# Altium PCB graviton.PcbDoc (part 13 of 15)
Units mm, origin at the board's own origin, x right, y up, seen from the top; angles counter-clockwise.
Board outline 200 x 200 mm, 10 copper layers (TOP, POLYGON1, S1, POLYGON2, POLYGON3, POLYGON4, POLYGON5, S2, POLYGON6, BOT), stack 1.751 mm thick; 1317 components, 712 nets, 5121 pads, 3994 vias.
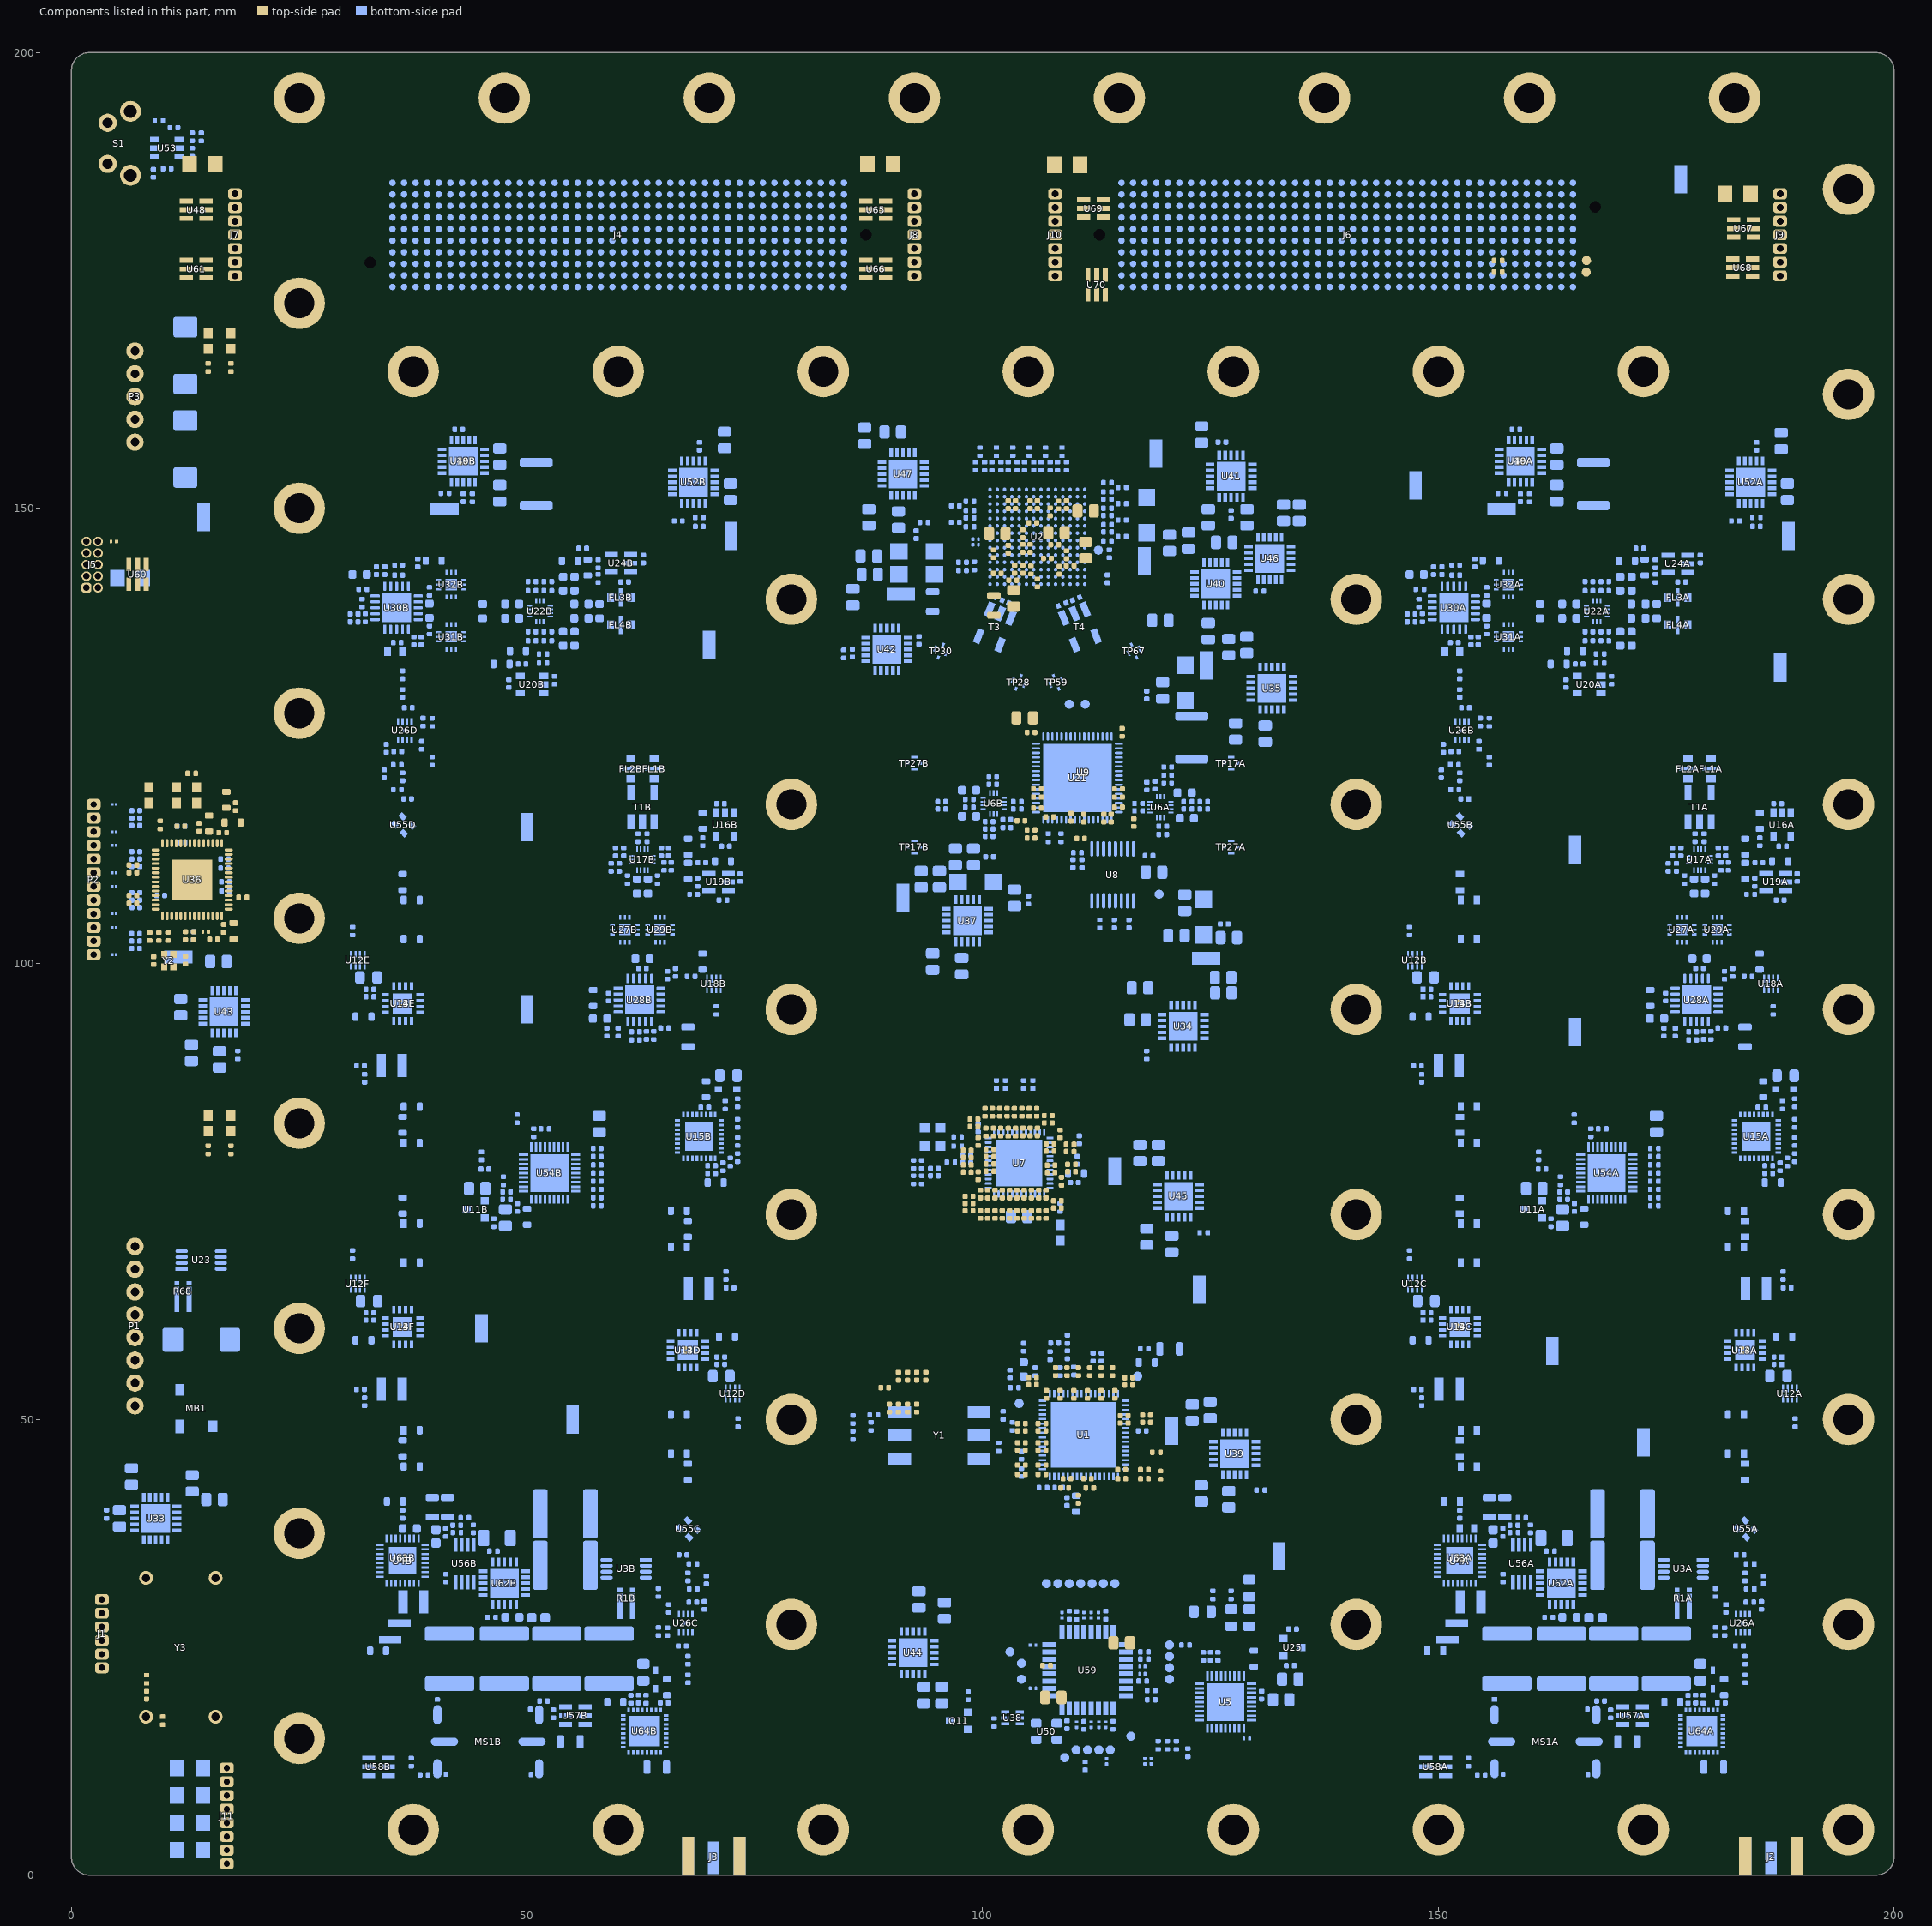
[diagram p21: the components of this part, seen from the top]

## Via types
v1: diameter 0.75, hole 0.5, TOP to BOT, tented both sides, 2608 vias
v2: diameter 0.508, hole 0.254, TOP to BOT, tented both sides, 628 vias
v3: diameter 0.483, hole 0.254, TOP to BOT, tented both sides, 455 vias
v4: diameter 0.5, hole 0.3, TOP to BOT, tented both sides, 169 vias
v5: diameter 0.635, hole 0.254, TOP to BOT, tented both sides, 86 vias
v6: diameter 0.5, hole 0.254, TOP to BOT, tented both sides, 48 vias

## Nets (pads, with @x,y where several pads share a name; then routed paths per layer and width w, separated by ;. In a path a pad name is that pad's centre, name@x,y a point inside that pad or via, vN(x,y) a via of type N, cw(c..) or ccw(c..) an arc to the next point about the centre after c; other vN are vias at no path point) (continued)
pads on no net: J4.16 J4.22 J4.23 J4.25 J4.26 J4.28 J4.29 J4.32 J4.33 J4.35 J4.36 J4.45 J4.46 J4.58 J4.59 J4.68 J4.69 J4.72 J4.73 J4.75 J4.76 J4.112 J4.113 J4.115 J4.116 J4.122 J4.123 J4.125 J4.126 J4.128 J4.129 J4.132 J4.133 J4.135 J4.136 J4.138 J4.139 J4.142 J4.143 J4.145 J4.146 J4.148 J4.149 J4.152 J4.153 J4.155 J4.156 J4.158 J4.159 J4.222 J4.223 J4.225 J4.226 J4.228 J4.229 J4.232 J4.233 J4.235 J4.236 J4.238 J4.239 J4.242 J4.243 J4.245 J4.246 J4.248 J4.249 J4.252 J4.253 J4.255 J4.256 J4.258 J4.259 J4.262 J4.263 J4.265 J4.266 J4.268 J4.269 J4.272 J4.273 J4.275 J4.276 J4.278 J4.279 J4.282 J4.283 J4.285 J4.286 J4.288 J4.289 J4.292 J4.293 J4.296 J4.306 J4.318 J4.319 J4.322 J4.323 J4.325 J4.326 J4.328 J4.329 J4.332 J4.333 J4.335 J4.336 J4.338 J4.339 J4.342 J4.343 J4.345 J4.346 J4.348 J4.349 J4.352 J4.353 J4.355 J4.356 J4.358 J4.359 J4.362 J4.363 J4.365 J4.366 J4.368 J4.369 J4.372 J4.373 J4.375 J4.376 J4.378 J4.379 J4.382 J4.383 J4.385 J4.386 J4.388 J4.389 J4.392 J4.393 J4.395 J4.396 J4.398 J4.399 J4.401 J4.402 J5.3 J5.5 J5.7 J5.9 J6.53 J6.55 J6.56 J6.58 J6.59 J6.78 J6.79 J6.82 J6.83 J6.85 J6.86 J6.88 J6.89 J6.92 J6.93 J6.95 J6.96 J6.98 J6.99 J6.102 J6.103 J6.105 J6.106 J6.108 J6.109 J6.112 J6.113 J6.115 J6.116 J6.118 J6.119 J6.122 J6.123 J6.125 J6.126 J6.128 J6.129 J6.132 J6.133 J6.135 J6.136 J6.138 J6.139 J6.142 J6.143 J6.145 J6.146 J6.148 J6.149 J6.152 J6.153 J6.155 J6.156 J6.158 J6.159 J6.202 J6.203 J6.205 J6.206 J6.208 J6.209 J6.212 J6.213 J6.215 J6.216 J6.222 J6.223 J6.252 J6.253 J6.255 J6.256 J6.258 J6.259 J6.262 J6.263 J6.265 J6.266 J6.268 J6.269 J6.272 J6.273 J6.275 J6.276 J6.278 J6.279 J6.282 J6.283 J6.285 J6.286 J6.288 J6.289 J6.292 J6.293 J6.295 J6.296 J6.298 J6.299 J6.302 J6.303 J6.305 J6.306 J6.308 J6.309 J6.312 J6.313 J6.315 J6.316 J6.318 J6.319 J6.322 J6.323 J6.325 J6.326 J6.328 J6.329 J6.332 J6.333 J6.335 J6.336 J6.338 J6.339 J6.342 J6.343 J6.345 J6.346 J6.348 J6.349 J6.352 J6.353 J6.355 J6.356 J6.358 J6.359 J6.362 J6.363 J6.365 J6.366 J6.368 J6.369 J6.372 J6.373 J6.375 J6.376 J6.378 J6.379 J6.382 J6.383 J6.385 J6.386 J6.388 J6.389 J6.399 J6.401 J6.402 U1.1 U1.2 U1.3 U1.4 U1.7 U1.8 U1.9 U1.13 U1.14 U1.22 U1.23 U1.24 U1.25 U1.29 U1.30 U1.49 U1.50 U1.51 U1.52 U1.55 U1.56 U1.57 U1.60 U1.61 U2.A6 U2.A7 U2.A8 U2.B6 U2.B7 U2.B8 U2.B14 U2.C3 U2.C4 U2.C14 U2.D3 U2.D4 U2.D12 U2.E3 U2.E4 U2.F3 U2.F4 U2.G3 U2.G4 U2.H3 U2.H4 U2.J3 U2.J4 U2.K3 U2.K4 U2.K12 U2.L3 U2.L4 U2.L7 U2.L11 U2.L12 U2.M3 U2.M4 U2.M14 U2.N6 U2.N7 U2.N8 U2.N11 U2.N12 U2.N14 U2.P6 U2.P7 U2.P8 U3A.3 U3A.6 U3A.7 U3B.3 U3B.6 U3B.7 U5.10 U5.11 U5.12 U5.13 U5.18 U5.20 U5.22 U5.23 U7.2 U7.7 U7.20 U7.21 U7.23 U7.25 U7.26 U7.27 U7.41 U7.42 U12A.7 U12B.7 U12C.7 U12D.7 U12E.7 U12F.7 U13A.13 U13A.14 U13A.15 U13B.13 U13B.14 U13B.15 U13C.13 U13C.14 U13C.15 U13D.13 U13D.14 U13D.15 U13E.13 U13E.14 U13E.15 U13F.13 U13F.14 U13F.15 U18A.7 U18B.7 U21.12 U21.28 U21.37 U23.3 U23.6 U23.7 U28A.15 U28B.15 U30A.15 U30B.15 U33.2 U33.4 U33.5 U33.8 U33.9 U33.11 U33.12 U33.17 U33.18 U33.19 U34.2 U34.4 U34.5 U34.6 U34.9 U34.10 U34.17 U34.18 U34.19 U35.2 U35.4 U35.5 U35.6 U35.8 U35.9 U35.11 U35.12 U35.17 U35.18 U35.19 U36.1 U36.2 U36.4 U36.5 U36.9 U36.29 U37.2 U37.4 U37.5 U37.6 U37.8 U37.9 U37.11 U37.12 U37.17 U37.18 U37.19 U39.2 U39.4 U39.5 U39.6 U39.9 U39.10 U39.17 U39.18 U39.19 U40.2 U40.4 U40.5 U40.6 U40.9 U40.10 U40.17 U40.18 U40.19 U41.2 U41.4 U41.5 U41.6 U41.7 U41.10 U41.11 U41.12 U42.2 U42.4 U42.5 U42.6 U42.7 U42.10 U42.11 U42.12 U43.2 U43.4 U43.5 U43.6 U43.9 U43.10 U43.17 U43.18 U43.19 U44.2 U44.4 U44.5 U44.6 U44.9 U44.10 U44.11 U44.12 U44.17 U44.18 U44.19 U45.2 U45.4 U45.5 U45.6 U45.9 U45.10 U45.17 U45.18 U45.19 U46.2 U46.4 U46.5 U46.6 U46.8 U46.9 U46.11 U46.12 U46.17 U46.18 U46.19 U47.2 U47.4 U47.5 U47.6 U47.8 U47.10 U47.17 U47.18 U47.19 U49A.2 U49A.4 U49A.5 U49A.6 U49A.7 U49A.9 U49A.10 U49A.11 U49B.2 U49B.4 U49B.5 U49B.6 U49B.7 U49B.9 U49B.10 U49B.11 U53.4 U56A.7 U56B.7 U61.1 U61.3 U61.4 U62A.2 U62A.4 U62A.5 U62A.6 U62A.8 U62A.9 U62A.10 U62A.11 U62A.12 U62A.17 U62A.18 U62A.19 U62B.2 U62B.4 U62B.5 U62B.6 U62B.8 U62B.9 U62B.10 U62B.11 U62B.12 U62B.17 U62B.18 U62B.19 U66.1 U66.3 U66.4 U68.1 U68.3 U68.4 U70.1 U70.4 U70.6 Y2.2 Y2.4 Y3.1
copper on no net:
  other v2: 72,86.25 49.9,137.3 52.9,137.3 49.9,140.1 52.9,140.1 46.5,153.65 47.5,153.65

## Polygon pours and split planes (outlines as drawn)
NetC494A_2 on BOT "NETC494A_2_L10_P1193" (solid, remove dead copper, pour order 1193): 170,27.625 167.375,27.625 167.375,31.075 170.25,31.075 170.25,30.875 170,30.875
GND on BOT "GND_L10_P1355" (solid, remove dead copper, pour order 1355): 200,0 0,0 0,200 200,200
V5-OCXO on BOT "V5-OCXO_L10_P1245" (solid, remove dead copper, pour order 1245): 15.475,34.1 12.225,34.1 12.225,31.6
NetC210B_2 on BOT "NETC210B_2_L10_P1203" (solid, pour order 1203): 147.78,99.5 150.98,99.5 150.98,87.4 147.78,87.4
NetC210C_2 on BOT "NETC210C_2_L10_P1199" (solid, pour order 1199): 147.78,64 150.98,64 150.98,51.9 147.78,51.9
V5V5N on BOT "V5V5N_L10_P1206" (solid, pour order 1206): 185.3,154 185.3,157.2 188.8,157.2 188.8,154
VSSA on BOT "VSSA_L10_P1208" (solid, pour order 1208): 185.2,145.1 185.2,151.8 189.4,151.8 189.4,145.1
T5A on BOT "T5A_L10_P1255" (solid, remove dead copper, pour order 1255): 152.807,42.5 151.893,41.586 151.893,42.5
no net on BOT "NONET_L10_P1339" (solid, remove dead copper, pour order 1339): 36.807,42.5 35.893,41.586 35.893,42.5
VSSB on BOT "VSSB_L10_P1341" (solid, pour order 1341): 69.2,145.1 69.2,151.8 73.4,151.8 73.4,145.1
V5V5N on BOT "V5V5N_L10_P1343" (solid, pour order 1343): 69.3,154 69.3,157.2 72.8,157.2 72.8,154
NetC210F_2 on BOT "NETC210F_2_L10_P1345" (solid, pour order 1345): 31.78,64 34.98,64 34.98,51.9 31.78,51.9
NetC210E_2 on BOT "NETC210E_2_L10_P1347" (solid, pour order 1347): 31.78,99.5 34.98,99.5 34.98,87.4 31.78,87.4
no net on BOT "NONET_L10_P1349" (solid, remove dead copper, pour order 1349): 54,27.625 51.375,27.625 51.375,31.075 54.25,31.075 54.25,30.875 54,30.875
NetC210D_2 on BOT "NETC210D_2_L10_P1351" (solid, pour order 1351): 72.22,53.75 69.02,53.75 69.02,65.85 72.22,65.85
NetC210A_2 on BOT "NETC210A_2_L10_P1353" (solid, pour order 1353): 188.22,53.75 185.02,53.75 185.02,65.85 188.22,65.85
GND on TOP "GND_L01_P1249" (solid, remove dead copper, pour order 1249): 200,200 0,200 0,0 200,0
GND on POLYGON5 "GND_L07_P1263" (solid, pour order 1263): 0,0 200,0 200,200 0,200
GND on POLYGON2 "GND_L04_P1265" (solid, pour order 1265): 0,0 200,0 200,200 0,200
GND on POLYGON6 "GND_L09_P1267" (solid, pour order 1267): 0,0 200,0 200,200 0,200
V3V3-CLK on POLYGON3 "V3V3-CLK_L05_P1307" (solid, pour order 1307): 74,57.5 130,57.5 130,36.25 74,36.25
V3V3-SYNTH on POLYGON3 "V3V3-SYNTH_L05_P1305" (solid, pour order 1305): 74,57.5 130,57.5 130,86.25 74,86.25
V3 on POLYGON3 "V3_L05_P1303" (solid, pour order 1303): 109.019,86.481 109.019,108.519 111,110.5 116.75,110.5 121,106.25 145,106.25 145,10 135.5,10 135.5,27.25 128.25,27.25 128.25,25 133.75,25 133.75,10 74,10 74,36.25 130,36.25 130,86.25 109.25,86.25
V3V3-ADC-FILT on POLYGON3 "V3V3-ADC-FILT_L05_P1301" (solid, pour order 1301): 145,113.3 145,106.25 121,106.25 116.75,110.5 111,110.5 109.25,108.75 109.25,86.25 95.25,86.25 95.25,106.25 105.25,116.25 114.65,116.25 117.6,113.3
V1V8-D-ADC-FILT on POLYGON3 "V1V8-D-ADC-FILT_L05_P1299" (solid, pour order 1299): 74,130 145,130 145,119.5 116.95,119.5 115.7,118.25 106.25,118.25 100.5,124 74,124
VCCB on POLYGON3 "VCCB_L05_P1297" (solid, pour order 1297): 29,10 61.5,10 61.5,17.25 65.75,17.25 65.75,21.5 61.5,21.5 61.5,30.65 74,30.65 74,86.25 95.25,86.25 95.25,106.25 105.25,116.25 110,116.25 110,118.25 106.25,118.25 100.5,124 74,124 74,160 29,160 29,143.675 40.5,143.675 40.5,135.5 29,135.5
VDDB on POLYGON3 "VDDB_L05_P1295" (solid, pour order 1295): 46.025,71.25 60,71.25 60,84.75 46.025,84.75
NetC355B_2 on POLYGON3 "NETC355B_2_L05_P1293" (solid, pour order 1293): 56,89 68.75,89 68.75,101.25 56,101.25
V29 on POLYGON3 "V29_L05_P1291" (solid, pour order 1291): 11.75,0 11.75,13.398 5.25,19.898 5.25,60.25 29,60.25 29,10 61.5,10 61.5,17.25 65.75,17.25 65.75,21.5 61.5,21.5 61.5,30.625 74,30.625 74,10 133.75,10 133.75,25 128.25,25 128.25,27.25 135.5,27.25 135.5,10 177.5,10 177.5,17.25 181.75,17.25 181.75,21.125 176,21.125 176,35.64 183.1,28.54 190,28.54 190,35 200,35 200,0
VDDA on POLYGON3 "VDDA_L05_P1269" (solid, pour order 1269): 162.25,71.3 176,71.3 176,84.75 162.25,84.75
NetC355A_2 on POLYGON3 "NETC355A_2_L05_P1271" (solid, pour order 1271): 172,89 184.75,89 184.75,101.25 172,101.25
GND on POLYGON3 "GND_L05_P1289" (solid, pour order 1289): 190,35 200,35 200,160 190,160
VCCA on POLYGON3 "VCCA_L05_P1287" (solid, pour order 1287): 145,160 190,160 190,28.54 183.1,28.54 176,35.64 176,21.125 181.75,21.125 181.75,17.25 177.5,17.25 177.5,10 145,10 145,113.3 117.6,113.3 114.65,116.25 110,116.25 110,118.25 115.7,118.25 116.95,119.5 145,119.5 145,135.5 155.575,135.5 155.575,143.775 145,143.775
NetC368A_2 on POLYGON3 "NETC368A_2_L05_P1285" (solid, pour order 1285): 145,143.775 155.575,143.775 155.575,135.5 145,135.5
V1V8 on POLYGON3 "V1V8_L05_P1283" (solid, pour order 1283): 122.5,130 145,130 145,160 200,160 200,200 100,200 100,170 122.5,170
V1V2-D-DAC on POLYGON3 "V1V2-D-DAC_L05_P1273" (solid, pour order 1273): 101.25,147.5 113.75,147.5 113.75,153.75 118,153.75 118,157.5 111.25,157.5 111.25,150 101.25,150
V2V5 on POLYGON3 "V2V5_L05_P1281" (solid, pour order 1281): 10.25,106.5 29,106.5 29,160 74,160 74,130 122.5,130 122.5,170 100,170 100,200 10.25,200
NetC368B_2 on POLYGON3 "NETC368B_2_L05_P1279" (solid, pour order 1279): 29,135.5 40.5,135.5 40.5,143.65 29,143.65
GND on POLYGON3 "GND_L05_P1277" (solid, pour order 1277): 0,161 10.25,161 10.25,200 0,200
V5V5 on POLYGON3 "V5V5_L05_P1275" (solid, pour order 1275): 0,0 11.75,0 11.75,13.398 5.25,20 5.25,60.25 29,60.25 29,106.5 10.25,106.5 10.25,161 0,161
VSSB on POLYGON4 "VSSB_L06_P1309" (solid, pour order 1309): 29,10 74.5,10 74.5,148.6 57.5,148.6 57.5,152.5 29,152.5
GND on POLYGON4 "GND_L06_P1337" (solid, pour order 1337): 191,175 200,175 200,0 145,0 145,10 191,10
VSSA on POLYGON4 "VSSA_L06_P1335" (solid, pour order 1335): 145,10 191,10 191,152.5 174,152.5 174,145 166,145 166,152.5 145,152.5
V5V5 on POLYGON4 "V5V5_L06_P1333" (solid, pour order 1333): 4.9,152.5 4.9,160.9 5,161 12.5,161 19.75,168.25 62.5,168.25 62.5,155 71.8,155 71.8,165 182.5,165 182.5,152.5 174,152.5 174,145 166,145 166,152.5 145,152.5 145,0 117.75,0 136.75,19 136.75,152.5 83.75,152.5 83.75,135 57.5,135 57.5,152.5
V5V5N on POLYGON4 "V5V5N_L06_P1331" (solid, pour order 1331): 4.9,161 12.5,161 19.75,168.25 62.5,168.25 62.5,154.25 73.1,154.25 73.1,165 182.5,165 182.5,152.5 191,152.5 191,175 14.9,175 4.9,165
V48 on POLYGON4 "V48_L06_P1329" (solid, pour order 1329): 0,67.75 9,67.75 9,71.5 4.9,71.5 4.9,165 14.9,175 200,175 200,200 0,200
V3V8 on POLYGON4 "V3V8_L06_P1327" (solid, pour order 1327): 0,67.75 9,67.75 9,71.5 4.9,71.5 4.9,103.9 5.05,103.75 10,103.75 10.231,103.519 10.231,96.481 10,96.25 17.5,96.25 17.5,102.5 19.5,102.5 19.5,124.5 4.9,124.5 4.9,152.5 29,152.5 29,10 74.5,10 74.5,135 83.75,135 83.75,152.5 100.5,152.5 100.5,147.6 94.6,147.6 94.6,139.7 94.8,139.5 105,139.5 105,143 116.5,143 116.5,146 121.5,146 121.5,152.5 136.75,152.5 136.75,19 117.75,0 0,0
V1V8-AVDD_23 on POLYGON4 "V1V8-AVDD_23_L06_P1325" (solid, pour order 1325): 100,107.6 123.6,107.6 123.6,120 100,120
V1-ETH on POLYGON4 "V1-ETH_L06_P1323" (solid, pour order 1323): 15,102.5 19.5,102.5 19.5,115.1 17.2,115.1 15.9,116.4 15,116.4 15,112.25 15.75,111.5 15.75,108 15,107.25
V3V3-ETH on POLYGON4 "V3V3-ETH_L06_P1321" (solid, pour order 1321): 7.25,103.75 7.25,106.2 8.8,106.2 8.8,107.125 7.25,107.125 7.25,110.375 8.9,110.375 8.9,111.4 7.25,111.4 7.25,121.25 14,121.25 14,103.5 13,103.5 13,104.75 12,104.75 12,102.5 17.5,102.5 17.5,96.25 10,96.25 10,103.75
V1V8-ETH on POLYGON4 "V1V8-ETH_L06_P1319" (solid, pour order 1319): 4.9,103.9 5.05,103.75 7.25,103.75 7.25,106.2 8.8,106.2 8.8,107.125 7.25,107.125 7.25,110.375 8.9,110.375 8.9,111.4 7.25,111.4 7.25,121.25 14,121.25 14,103.5 13,103.5 13,104.75 12,104.75 12,102.5 15,102.5 15,107.25 15.75,108 15.75,111.5 15,112.25 15,116.4 15.9,116.4 17.2,115.1 19.5,115.1 19.5,124.5 4.9,124.5
V3V3-DAC on POLYGON4 "V3V3-DAC_L06_P1311" (solid, pour order 1311): 103.3,144.9 104.8,144.9 104.8,144.05 105.6,144.05 105.6,144.9 112.4,144.9 112.5,145 112.5,146 116.5,146 116.5,143 103.3,143
V1V2-A-DAC-CLK_29 on POLYGON4 "V1V2-A-DAC-CLK_29_L06_P1317" (solid, pour order 1317): 94.6,144.9 103.3,144.9 103.3,143 105,143 105,139.5 94.8,139.5 94.6,139.7
V1V2-A-DAC-DAC_29 on POLYGON4 "V1V2-A-DAC-DAC_29_L06_P1315" (solid, pour order 1315): 94.6,147.6 112.5,147.6 112.5,145 112.4,144.9 105.625,144.9 105.6,144.875 105.6,144.05 104.8,144.05 104.8,144.9 94.6,144.9
V3V3-DAC-IO_29 on POLYGON4 "V3V3-DAC-IO_29_L06_P1313" (solid, pour order 1313): 100.5,152.5 121.5,152.5 121.5,146 112.5,146 112.5,147.6 100.5,147.6
GND on POLYGON1 "GND_L02_P1257" (solid, pour order 1257): 0,0 200,0 200,200 0,200

## Keep-outs
Keep-Out Layer:
  the board outline again, w0.4

## Other copper
TOP:
  region net V1V8-ETH: 17.9,115.5 17.9,117 16.325,117 16.325,115.5
  region net V3: 106.9,19 106.9,20.6 104.9,20.6 104.9,19
  region net V3: 106.6,22.7 106.6,23.3 104.9,23.3 104.9,22.7
  region net V3: 118.2,24.1 118.2,26.7 115.2,26.7 115.2,24.1
  region net V1V8-AVDD_23: 107.3,114.3 107.3,116.1 106.6,116.1 106.6,114.3
  region net V1V8-AVDD_23: 105.925,116.125 105.925,119.875 104.25,119.875 104.25,116.125
  region net V1V8-D-ADC-FILT: 116.3,118.775 116.3,119.75 114.975,119.75 114.975,118.775
  region net V3V3-ADC-FILT: 115.1,114.25 115.1,115.6 112.8,115.6 112.8,114.25
  region net V2V5: 14.25,185.5 14.25,187.75 11.5,187.75 11.5,185.5
  region net V1V8-AVDD_23: 116.6,115.9 116.6,118.6 115,118.6 115,115.9
  region net V1V8-AVDD_23: 111.7,114.3 111.7,115.7 107.3,115.7 107.3,114.3
  region net V1V8-AVDD_23: 107.3,116.125 107.3,116.7 105.925,116.7 105.925,116.125
  region net V3V3-ADC-FILT: 106.2,113.83 106.2,115.9 105.3,115.9 105.3,113.83
  region net V1V8-AVDD_23: 104.75,115.2 104.75,116.125 104.25,116.125 104.25,115.2
  region net V1V8-D-ADC-FILT: 107,125.45 107,126.8 105.3,126.8 105.3,125.45
  region net V1V8-D-ADC-FILT: 116.575,125.45 116.575,129.025 114.1,129.025 114.1,125.45
  region net V1V2-A-DAC-CLK_29: 100.725,139.5 100.725,142.25 95.125,142.25 95.125,139.5
  region net V1V2-A-DAC-CLK_29: 102.975,140.175 102.975,143.3 101.7,143.3 101.7,140.175
  region net V3V3-DAC-IO_29: 109.6,148.2 109.6,150.4 108.8,150.4 108.8,148.2
  region net V3V3-DAC-IO_29: 110.575,148.975 110.575,150.4 109.2,150.4 109.2,148.975
  region net V1V2-A-DAC-DAC_29: 105.575,144.075 105.575,145 104.9,145 104.9,144.075
  region net V1V2-A-DAC-DAC_29: 103.95,145.025 103.95,146.4 103.25,146.4 103.25,145.025
  region net V1V2-A-DAC-DAC_29: 104.8,146.4 104.8,147.15 103.75,147.15 103.75,146.4
  region net V1V2-A-DAC-DAC_29: 103.875,146.4 103.875,148.075 102.2,148.075 102.2,146.4
  region net V3V3-DAC-IO_29: 103.1,148.175 103.1,150.425 102.425,150.425 102.425,148.175
  region net V1V2-D-DAC: 104.55,148.825 104.55,150.425 103.2,150.425 103.2,148.825
  region net V1V2-D-DAC: 105.425,148.025 105.425,148.825 103.975,148.825 103.975,148.025
  region net V3V3-DAC-IO_29: 106.55,148.925 106.55,150.375 104.675,150.375 104.675,148.925
  region net V1V2-D-DAC: 108.65,149.55 108.65,150.35 107.925,150.35 107.925,149.55
  region net V1V2-D-DAC: 108.65,148.2 108.65,149.55 107.2,149.55 107.2,148.2
  region net V1V2-D-DAC: 107.95,146.8 107.95,148.2 107.2,148.2 107.2,146.8
  region net V1V2-A-DAC-DAC_29: 108.725,145.575 108.725,145.7 107.925,145.7 107.925,145.575
  region net V1V2-A-DAC-DAC_29: 108.725,145 108.725,145.575 104.9,145.575 104.9,145
  region net V1V2-A-DAC-DAC_29: 109.525,145.7 109.525,146.35 107.925,146.35 107.925,145.7
  region net V3V3-DAC: 111.3,144.125 111.3,144.475 109.5,144.475 109.5,144.125
  region net V3V3-DAC: 111.3,144.475 111.3,144.9 108.425,144.9 108.425,144.475
  region net V3V3-DAC: 108.4,143.25 108.4,144 107.325,144 107.325,143.25
  region net V3V3-DAC: 109.5,143.25 109.5,144.47 108.4,144.47 108.4,143.25
  region net V3V3-DAC: 106.75,144.2 106.75,144.8 105.75,144.8 105.75,144.2
  region net V3V3-DAC: 104.7,143.73 104.7,145.17 104.1,145.17 104.1,143.73
  region net V3V3-DAC: 104.425,143.73 104.425,144.9 101.175,144.9 101.175,143.73
  region net V3V3-SYNTH: 106.762,81.972 106.762,83.278 99.472,83.278 99.472,81.972
  region net V3V3-SYNTH: 109.162,79.4 109.162,80.82 107.838,80.82 107.838,79.4
  region net V3V3-SYNTH: 109.32,76.68 109.32,77.992 107.93,77.992 107.93,76.68
  region net V3V3-SYNTH: 100.362,77.142 100.362,80.07 98.73,80.07 98.73,77.142
  region net V3V3-SYNTH: 107.77,72.93 107.77,74.32 98.93,74.32 98.93,72.93
  region net V1-ETH: 19.1,103.9 19.1,105.25 16.5,105.25 16.5,103.9
  region net V3V3-CLK: 111.32,41.68 111.32,43.5 109.43,43.5 109.43,41.68
  region net V3V3-CLK: 117.543,49.615 117.543,50.485 115.957,50.485 115.957,49.615
  region net V3V3-CLK: 115.593,53.25 115.593,55 105.907,55 105.907,53.25
  region net V3V3-CLK: 117.32,43.25 117.32,44.75 115.68,44.75 115.68,43.25
  region net V3V3-CLK: 106.07,44 106.07,45 104.68,45 104.68,44
  region net V3V3-CLK: 106.07,46.65 106.07,47.4 104.68,47.4 104.68,46.65
  region net V3V3-CLK: 106.07,48.75 106.07,49.5 104.68,49.5 104.68,48.75
  region net V3V3-CLK: 95.25,51.68 95.25,54.32 89.75,54.32 89.75,51.68
  region net GND: 190,5.2 cw(c189,5.2) 189,4.2 190,4.2
  region net GND: 184,4.2 cw(c184,5.2) 183,5.2 183,4.2
  region net GND: 74,5.2 cw(c73,5.2) 73,4.2 74,4.2
  region net GND: 68,4.2 cw(c68,5.2) 67,5.2 67,4.2
POLYGON6:
  region net GND: 50.5,18 50.5,20 41.25,20 41.25,18
  region net GND: 40.9,11.2 40.9,10 50.5,10 50.5,11.2
  region net GND: 156.9,11.2 156.9,10 166.5,10 166.5,11.2
  region net GND: 166.5,18 166.5,20 157.25,20 157.25,18
  pour cut-out: 66.035,10.41 66.035,97.91 69.275,97.91 69.275,10.41
  pour cut-out: 68.875,0.16 68.875,13.91 72.115,13.91 72.115,0.16
  pour cut-out: 67.2,10.392 61.735,10.392 61.735,17.91 67.2,17.91
  pour cut-out: 62.56,13.073 33.25,13.073 33.25,16.313 62.56,16.313
  pour cut-out: 36.36,31.79 36.36,13.41 33.12,13.41 33.12,31.79
  pour cut-out: 38.01,136.66 38.01,24.085 34.77,24.085 34.77,136.66
  pour cut-out: 52.9,10.41 52.9,19.43 38.27,19.43 38.27,10.41
  pour cut-out: 168.9,10.25 168.9,19.27 154.27,19.27 154.27,10.25
  pour cut-out: 154.01,136.5 154.01,23.925 150.77,23.925 150.77,136.5
  pour cut-out: 152.36,31.63 152.36,13.25 149.12,13.25 149.12,31.63
  pour cut-out: 178.56,12.913 149.25,12.913 149.25,16.153 178.56,16.153
  pour cut-out: 183.2,10.232 177.735,10.232 177.735,17.75 183.2,17.75
  pour cut-out: 184.875,0 184.875,13.75 188.115,13.75 188.115,0
  pour cut-out: 182.035,10.25 182.035,97.75 185.275,97.75 185.275,10.25